# Altium PCB FOC_DRIVER.PcbDoc (part 3 of 4) (continued)
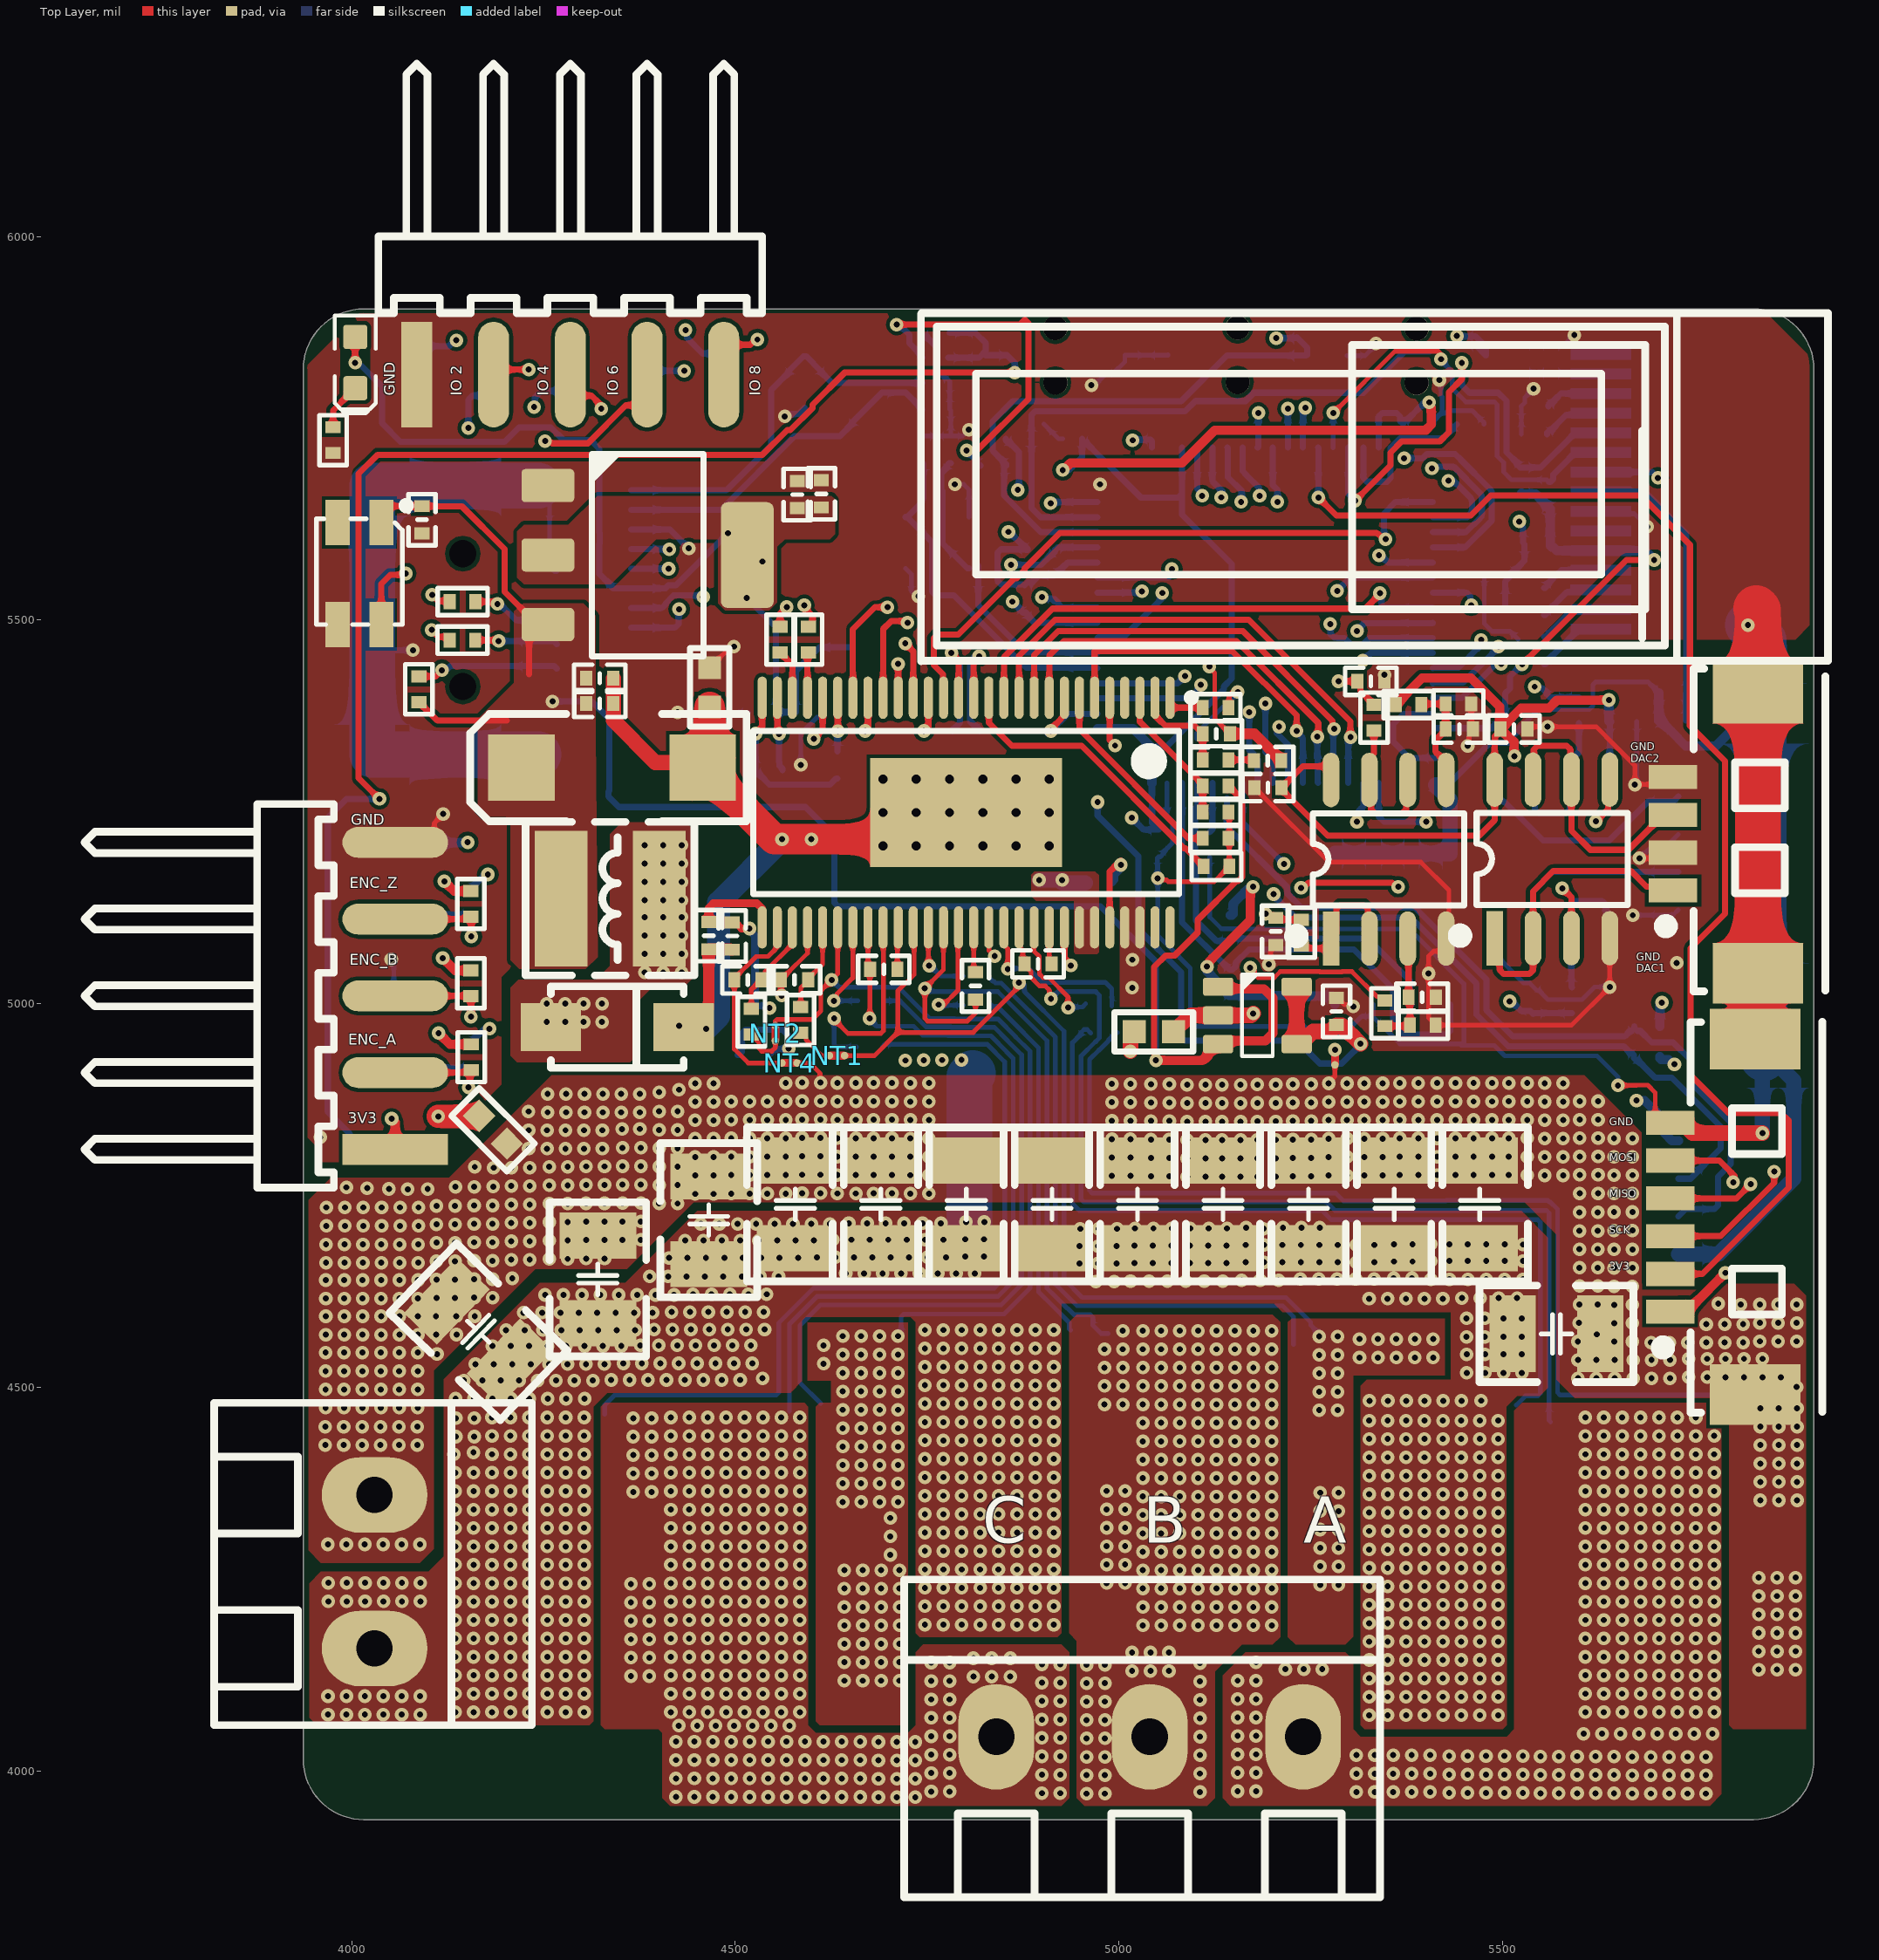
[diagram p0: Top Layer view]
## Nets (pads, with @x,y where several pads share a name; then routed paths per layer and width w, separated by ;. In a path a pad name is that pad's centre, name@x,y a point inside that pad or via, vN(x,y) a via of type N, cw(c..) or ccw(c..) an arc to the next point about the centre after c; other vN are vias at no path point) (continued)
  Bottom Layer w8: 4013,5831.3 4039.5,5804.8 4039.5,5756.8 4063.7,5732.6 4199.32,5732.6 4218.04,5751.32 4259.49,5751.32 4276.4,5734.41 4311.94,5734.41 4322.92,5723.43 4322.92,5614 4323.1,5613.82 4323.1,5599.35 4322.92,5599.17 4322.92,5560.41 4335.92,5547.41 4335.92,5545.86 4340.37,5541.4 U2.5@4364.4,5541.4 4408.88,5541.4 4412.63,5545.15 4422.15,5545.15 v1(4490.3,5613.3) ; v1(4514.8,5529) 4552.77,5491.03 C3.1@4552.77,5380.14 4578.72,5380.14 C1.1@4578.78,5380.2 4578.78,5433.68 4609.73,5464.63 U2.19@4651.8,5464.63 ; v1(4710.15,5885.1) 4713.8,5885.1 4726.71,5872.19 4726.71,5861.03 4739.97,5847.76 4739.97,5845.78 R33.1@4743.85,5841.9 ; v1(4801.5,5721.2) 4815.43,5707.27 4815.43,5705.27 R36.1@4819.3,5701.4 ; R37.1@4852.2,5736.5 4852.2,5734.53 4856.07,5730.66 4858.04,5730.66 4869.64,5719.06 4869.64,5671.24 v1(4868.1,5669.7) ; v1(4926.63,5695.59) 4926.72,5695.5 4934.8,5695.5 4951.81,5712.51 4951.81,5730.56 C28.2@4951.81,5734.43 ; C28.2@4951.81,5736.4 C28.2@4951.81,5734.43 ; v1@5012.5,5246.5 v1(5016.48,5242.52) 5032.09,5226.91 5045.85,5226.91 C30.2@5049.73,5226.91 ; 5041.62,5335.4 5062.3,5335.4 5136.84,5409.94 5136.84,5413.8 5146.79,5423.74 5146.79,5573.11 5082.23,5637.67 5082.23,5664.59 ; U1.64@5042.86,5287.8 5042.86,5235.75 5045.85,5232.76 5045.85,5230.79 C30.2@5049.73,5226.91 ; C30.2@5051.7,5226.91 C30.2@5049.73,5226.91 ; U1.19@5082.23,5724.8 5082.23,5664.59 ; U1.32@5338.14,5724.8 5338.14,5765.39 5342.82,5770.08 5361.53,5770.08 5366.21,5765.39 5366.21,5759.37 C27.2@5370.09,5755.5 5370.09,5757.47 5373.96,5761.34 5375.93,5761.34 5398.39,5783.8 v1(5404.2,5783.8) ; U1.48@5411.74,5358.66 5412.37,5359.3 C29.2@5486.89,5359.3 5486.89,5361.27 5490.76,5365.14 5492.73,5365.14 5503.4,5375.81 D1.2@5503.4,5404.68 5509.62,5410.9 5509.62,5426.72 v1(5525.3,5442.4) ; C28.2@4951.81,5734.43 4955.69,5730.56 4957.66,5730.56 5028.32,5659.9 5077.55,5659.9 5082.23,5664.59
  Bottom Layer w12: JP5.1@4055,5210 4150.6,5210 v1(4151.2,5210.6) ; U1.1@4972,5358.66 5018.36,5358.66 5041.62,5335.4 5041.62,5318.37 5042.86,5317.13 U1.64@5042.86,5287.8 ; v1(5114.67,5048.51) 5114.67,5042.27 5142.05,5014.89 5142.05,5012.92 5143.93,5011.05 R13.1@5145.9,5011.05 5234.77,5011.05 C15.1@5235.7,5010.12 5277.95,5010.12 5281.5,5006.57 IC2.8@5281.5,4999.07 ; R11.1@5145,5115.45 5146.97,5115.45 5148.85,5117.33 5148.85,5130.75 5167.86,5149.76 5170.07,5149.76 5172.93,5152.62 v1(5174.47,5152.62) ; R7.1@5524.5,5665.45 5525.58,5664.36 5542.58,5664.36 5556.25,5650.69 5556.25,5648.72 5558.13,5646.85 R6.1@5560.1,5646.85 5561.85,5645.09 R8.1@5561.85,5599 5561.85,5597.03 5563.73,5595.15 5565.69,5595.15 5570.29,5590.55 U11.5@5627.95,5590.55 5685.15,5590.55 v1(5697.3,5578.4) ; v1(5674.3,4874.1) 5685,4874.1 5710.97,4848.13 5710.97,4831.16 5720.72,4821.41 JP3.1@5728.91,4821.41 ; R3.2@5704.51,4931.1 5704.51,4929.13 5706.39,4927.26 5716.17,4927.26 ; R2.2@5704.81,4970.7 5704.81,4998.97 v1(5707.47,5001.63)
pads on no net: LED1.0 Q1.7 Q1.9 Q1.10 Q1.11 Q2.7 Q2.9 Q2.10 Q2.11 Q3.7 Q3.9 Q3.10 Q3.11 Q4.7 Q4.9 Q4.10 Q4.11 Q5.7 Q5.9 Q5.10 Q5.11 Q6.7 Q6.9 Q6.10 Q6.11 Q7.7 Q7.9 Q7.10 Q7.11 Q8.7 Q8.9 Q8.10 Q8.11 Q9.7 Q9.9 Q9.10 Q9.11 Q10.7 Q10.9 Q10.10 Q10.11 Q11.7 Q11.9 Q11.10 Q11.11 Q12.7 Q12.9 Q12.10 Q12.11 S1. S2. S3. U2.1 U2.2 U2.11 U2.12 U2.13 U2.14 U2.15 U2.16 U2.17 U2.18 U2.20 U3.0 U4.0 U5.4 U5.55 U5.56 U10.2 U11.6 U11.15 USB1.4 USB1.MH1 USB1.MH2

## Polygon pours and split planes (outlines as drawn)
AGND on Bottom Layer "AGND_L04_P259" (solid, remove dead copper, pour order 259): 5142.07,5448.6 5905.51,5448.6 5905.51,4938.5 5142.4,4938.5 5119.6,4961.3 5119.6,5425.68
DGND on Bottom Layer "DGND_L04_P255" (solid, remove dead copper, pour order 255): 3940.1,4828.4 3960.8,4807.7 3960.8,4793.7 4093.8,4793.7 4195.3,4895.2 4195.3,5034.8 4206,5045.5 4305.1,5045.5 4320.71,5061.11 4319.21,5062.6 4319.21,5225.51 4344.3,5250.6 4345,5249.9 4450.3,5249.9 4467.7,5232.5 4467.7,5190.8 4474.6,5183.9 5077,5183.9 5108.9,5215.8 5108.9,5434.51 5149.19,5474.8 5881.3,5474.8 5899.7,5493.2 5899.7,5844 5839.8,5903.9 4014.14,5903.9 3937.01,5826.77
SL_A on Bottom Layer "SL_A_L04_P196" (solid, remove dead copper, pour order 196): 3959.9,4271.6 4089.1,4271.6 4107.2,4289.7 4107.2,4522 4239.7,4654.5 4358.8,4654.5 4445.6,4741.3 4919.1,4741.3 5251.9,4741.3 5528.4,4741.3 5570,4699.7 5570,4630 5573.67,4626.33 5680.59,4626.33 5680.59,4832.71 5606.2,4907.1 4260.8,4907.1 4127.2,4773.5 3972.8,4773.5 3943.7,4744.4 3943.7,4287.8
SL_A on Bottom Layer "SL_A_L04_P149" (solid, remove dead copper, pour order 149): 5895,4462.75 5895,4620 5880,4635 5575,4635 5570,4630 5570,4510 5593.78,4486.22 5785.43,4486.22 5795,4476.65 5795,4467.75
NetC51_2 on Bottom Layer "NETC51_2_L04_P261" (solid, remove dead copper, pour order 261): 4318.1,5031.4 4217.2,5031.4 4207.2,5021.4 4207.2,4932.7 4215.8,4924.1 4363,4924.1 4371.24,4932.34 4371.24,5001.24 4392.7,5022.7 4433.9,5022.7 4451.4,5040.2 4451.4,5220.7 4435.3,5236.8 4352.1,5236.8 4336.5,5221.2 4336.5,5049.8
GND on Bottom Layer "GND_L04_P246" (solid, remove dead copper, pour order 246): 4674.18,5323.1 4926.9,5323.1 4928.1,5321.9 4928.1,5175.2 4672.34,5175.2
SL_A on Bottom Layer "SL_A_L04_P148" (solid, remove dead copper, pour order 148): 5895,4055 5800,4055 5795,4060 5795,4475 5800,4480 5895,4480
DCBUS on Bottom Layer "DCBUS_L04_P227" (solid, remove dead copper, pour order 227): 4809.4,4911.8 4709.3,4911.44 4709.3,4939.6 4823.8,4939.6 4837.8,4925.6 4837.8,4901.6 4810.2,4901.6
DCBUS on Bottom Layer "DCBUS_L04_P171" (solid, remove dead copper, pour order 171): 4315,4475 4333,4493 4571.74,4493 4587,4508.26 4587,4587 4592,4592 4728,4592 4735,4585 4735,4180 4740,4175 4920,4175 4925,4180 4925,4718 4913,4730 4450.3,4730 4356.6,4636.3 4245.4,4636.3 4120,4510.9 4120,4475
DCBUS on Bottom Layer "DCBUS_L04_P172" (solid, remove dead copper, pour order 172): 5201.7,4609.7 5213.13,4598.27 5432.53,4598.27 5432.53,4480.03 5423.2,4470.7 5436.9,4457 5504.7,4457 5504.7,4474.7 5519.1,4489.1 5548.4,4489.1 5558.7,4499.4 5558.7,4695.6 5524.3,4730 4913,4730 4914,4609.7
NetQ9_G on Bottom Layer "NETQ9_G_L04_P025" (solid, remove dead copper, pour order 25): 5220,4590 5220,4175 5230,4165 5295,4165 5305,4175 5305,4205 5295,4215 5240,4215 5235,4220 5235,4395 5240,4400 5290,4400 5295,4405 5295,4435 5290,4440 5240,4440 5235,4445 5235,4590
SL_B on Bottom Layer "SL_B_L04_P023" (solid, remove dead copper, pour order 23): 5250,4590 5245,4585 5245,4455 5250,4450 5300,4450 5305,4455 5305,4585 5300,4590
DCBUS on Bottom Layer "DCBUS_L04_P006" (solid, remove dead copper, pour order 6): 4740,4590 4735,4585 4735,4180 4740,4175 4920,4175 4925,4180 4925,4585 4920,4590
SH_A on Bottom Layer "SH_A_L04_P004" (solid, remove dead copper, pour order 4): 5540,4480 5535,4475 5535,4340 5540,4335 5590,4335 5595,4330 5595,4275 5590,4270 5540,4270 5535,4265 5535,4115 5540,4110 5590,4110 5595,4105 5595,4050 5590,4045 5315,4045 5305,4055 5305,4145 5295,4155 5165,4155 5135,4125 5135,3965 5145,3955 5770,3955 5785,3970 5785,4475 5780,4480
NetQ7_G on Bottom Layer "NETQ7_G_L04_P029" (solid, remove dead copper, pour order 29): 5890,4100 5895,4095 5895,4060 5890,4055 5800,4055 5795,4060 5795,4480 5810,4480 5810,4330 5820,4320 5865,4320 5865,4290 5860,4285 5820,4285 5810,4275 5810,4105 5815,4100
DCBUS on Bottom Layer "DCBUS_L04_P030" (solid, remove dead copper, pour order 30): 4135,4280 4120,4280 4100,4260 3960,4260 3930,4230 3930,4080 3955,4055 4135,4055
SH_B on Bottom Layer "SH_B_L04_P003" (solid, remove dead copper, pour order 3): 4960,4595 4955,4590 4955,4455 4960,4450 5015,4450 5020.01,4444.99 5020,4395 5015,4390 4960,4390 4955,4385 4955,4230 4960,4225 5015,4225 5020,4219.99 5020.01,4170.01 5015,4165 4955,4165 4945,4155 4945,3965 4955,3955 5115,3955 5125,3965 5125,4130 5160,4165 5200,4165 5210,4175 5210,4585 5200,4595
NetQ5_G on Bottom Layer "NETQ5_G_L04_P026" (solid, remove dead copper, pour order 26): 4390,4055 4395,4060 4395,4095 4390,4100 4350,4100 4340,4110 4340,4275 4350,4285 4390,4285 4395,4290 4395,4320 4390,4325 4345,4325 4335,4335 4335,4480 4325,4480 4325,4055
SL_B on Bottom Layer "SL_B_L04_P176" (solid, remove dead copper, pour order 176): 5288.9,4590.01 5424.54,4589.89 5424.65,4515.9 5288.9,4515.9
DCBUS on Bottom Layer "DCBUS_L04_P173" (solid, remove dead copper, pour order 173): 5440.5,4510.4 5323,4510.4 5314.8,4502.2 5314.8,4458.9 5432.3,4458.9 5443,4469.6
DCBUS on Bottom Layer "DCBUS_L04_P159" (solid, remove dead copper, pour order 159): 5442,4511.9 5440.5,4510.4 5323,4510.4 5314.8,4502.2 5314.8,4458.9 5432.3,4458.9 5443,4469.6 5443,4474.9
no net on Bottom Layer "NONET_L04_P158" (solid, remove dead copper, pour order 158): 5428.24,4511.92
no net on Bottom Layer "NONET_L04_P130" (solid, remove dead copper, pour order 130): 4120,4475
NetQ1_G on Bottom Layer "NETQ1_G_L04_P027" (solid, remove dead copper, pour order 27): 5580,4055 5585,4060 5585,4095 5580,4100 5530,4100 5525,4105 5525,4275 5530,4280 5580,4280 5585,4285 5585,4320 5580,4325 5530,4325 5525,4330 5525,4485 5515,4485 5515,4060 5520,4055
SL_C on Bottom Layer "SL_C_L04_P108" (solid, remove dead copper, pour order 108): 4625,4475 4625,4509 4599,4509 4597,4511 4597,4574 4608.03,4585.03 4712.97,4585.03 4725,4573 4725,4475
SL_C on Bottom Layer "SL_C_L04_P018" (solid, remove dead copper, pour order 18): 4630,4480 4625,4475 4625,4335 4630,4330 4685,4330 4690,4325 4690,4285 4685,4280 4630,4280 4625,4275 4625,4110 4630,4105 4720,4105 4725,4110 4725,4475 4720,4480
no net on Bottom Layer "NONET_L04_P090" (solid, remove dead copper, pour order 90): 5520,4475
no net on Bottom Layer "NONET_L04_P089" (solid, remove dead copper, pour order 89): 4922.24,4611.22
no net on Bottom Layer "NONET_L04_P088" (solid, remove dead copper, pour order 88): 4935,4585
no net on Bottom Layer "NONET_L04_P087" (solid, remove dead copper, pour order 87): 4940,4590
no net on Bottom Layer "NONET_L04_P086" (solid, remove dead copper, pour order 86): 4940,4590
NetQ11_G on Bottom Layer "NETQ11_G_L04_P020" (solid, remove dead copper, pour order 20): 4720,4095 4725,4090 4725,4065 4720,4060 4610,4060 4605,4065 4605,4485 4615,4485 4615,4330 4625,4320 4680,4320 4685,4315 4685,4295 4680,4290 4630,4290 4620,4280 4620,4100 4625,4095
no net on Bottom Layer "NONET_L04_P079" (solid, remove dead copper, pour order 79): 4330,4465
no net on Bottom Layer "NONET_L04_P068" (solid, remove dead copper, pour order 68): 5315,4485
no net on Bottom Layer "NONET_L04_P066" (solid, remove dead copper, pour order 66): 5300,4590
NetQ3_G on Bottom Layer "NETQ3_G_L04_P024" (solid, remove dead copper, pour order 24): 4930,4590 4930,4180 4935,4175 5005,4175 5010,4180 5010,4210 5005,4215 4960,4215 4945,4230 4945,4390 4955,4400 5005,4400 5010,4405 5010,4435 5005,4440 4950,4440 4945,4445 4945,4590
SL_B on Bottom Layer "SL_B_L04_P022" (solid, remove dead copper, pour order 22): 5250,4390 5245,4385 5245,4230 5250,4225 5300,4225 5305,4230 5305,4385 5300,4390
no net on Bottom Layer "NONET_L04_P019" (solid, remove dead copper, pour order 19): 4650,4095
DCBUS on Bottom Layer "DCBUS_L04_P010" (solid, remove dead copper, pour order 10): 5320,4475 5315,4470 5315,4060 5320,4055 5500,4055 5505,4060 5505,4470 5500,4475
no net on Bottom Layer "NONET_L04_P007" (solid, remove dead copper, pour order 7): 5365,4475
DCBUS on Bottom Layer "DCBUS_L04_P005" (solid, remove dead copper, pour order 5): 4125,4480 4120,4475 4120,4060 4125,4055 4310,4055 4315,4060 4315,4475 4310,4480
SH_C on Bottom Layer "SH_C_L04_P000" (solid, remove dead copper, pour order 0): 4350,4480 4345,4475 4345,4340.01 4350.01,4335 4400,4335 4405,4330 4405,4280 4400,4275 4353.74,4275 4345,4266.26 4345,4115 4350,4110 4400,4110 4405,4105 4405,3965 4415,3955 4925,3955 4935,3965 4935,4155 4925,4165 4745,4165 4735,4155 4735,4060 4725,4050 4605,4050 4595,4060 4595,4475 4590,4480
DGND on Top Layer "DGND_L01_P253" (solid, remove dead copper, pour order 253): 3940.1,4828.4 3960.8,4807.7 3960.8,4793.7 4093.8,4793.7 4195.3,4895.2 4195.3,5034.8 4206,5045.5 4305.1,5045.5 4320.71,5061.11 4319.21,5062.6 4319.21,5225.51 4344.3,5250.6 4345,5249.9 4450.3,5249.9 4467.7,5232.5 4467.7,5190.8 4474.6,5183.9 5077,5183.9 5108.9,5215.8 5108.9,5434.51 5149.19,5474.8 5881.3,5474.8 5899.7,5493.2 5899.7,5844 5839.8,5903.9 4014.14,5903.9 3937.01,5826.77
AGND on Top Layer "AGND_L01_P257" (solid, remove dead copper, pour order 257): 5142.07,5448.6 5905.51,5448.6 5905.51,4938.5 5142.4,4938.5 5119.6,4961.3 5119.6,5425.68
SL_A on Top Layer "SL_A_L01_P153" (solid, remove dead copper, pour order 153): 5895,4462.75 5895,4620 5880,4635 5575,4635 5570,4630 5570,4510 5593.78,4486.22 5785.43,4486.22 5795,4476.65 5795,4467.75
SL_A on Top Layer "SL_A_L01_P154" (solid, remove dead copper, pour order 154): 3959.9,4271.6 4089.1,4271.6 4107.2,4289.7 4107.2,4522 4239.7,4654.5 4358.8,4654.5 4445.6,4741.3 4919.1,4741.3 5251.9,4741.3 5528.4,4741.3 5570,4699.7 5570,4630 5573.67,4626.33 5680.59,4626.33 5680.59,4832.71 5606.2,4907.1 4260.8,4907.1 4127.2,4773.5 3972.8,4773.5 3943.7,4744.4 3943.7,4287.8
VCC3v3 on Top Layer "VCC3V3_L01_P239" (solid, remove dead copper, pour order 239): 4485.77,5661.9 4320,5661.9 4282.4,5624.3 4224.7,5624.3 4215.8,5615.4 4215.8,5555.4 4224.5,5546.7 4338,5546.7 4396.9,5605.6 4564.4,5605.6
VCC3v3 on Top Layer "VCC3V3_L01_P238" (solid, remove dead copper, pour order 238): 4485.77,5661.9 4625.4,5661.9 4629.81,5657.49 4629.81,5612.11 4623.3,5605.6 4564.4,5605.6 4554.5,5595.7 4554.5,5523.2 4544.2,5512.9 4486.5,5512.9 4477.4,5522 4477.4,5653.17
+5 on Top Layer "+5_L01_P237" (solid, remove dead copper, pour order 237): 4223.87,5521.7 4301.95,5521.7 4317.71,5505.94 4317.71,5351.49 4306.62,5340.4 4174.3,5340.4 4164.5,5350.2 4164.5,5371.2 4211.6,5418.3 4211.6,5511.6
DCBUS on Top Layer "DCBUS_L01_P231" (solid, remove dead copper, pour order 231): 5001,5143 5034,5143 5034,4996 5001,4996
NetC51_2 on Top Layer "NETC51_2_L01_P226" (solid, remove dead copper, pour order 226): 4973.4,5146.8 4973.7,5147.1 4973.7,5167.5 4968.9,5172.3 4889.9,5172.3 4885.4,5167.8 4885.6,5167.6 4885.6,5140.7 4891.8,5134.5 4948.8,5134.5
NetC51_2 on Top Layer "NETC51_2_L01_P225" (solid, remove dead copper, pour order 225): 4971.73,5064.96 4973.7,5066.93 4973.7,5161.66 4941.22,5161.66 4941.22,5066.93 4943.19,5064.96
SH_A on Top Layer "SH_A_L01_P145" (solid, remove dead copper, pour order 145): 5165,4155 5135,4125 5135,3965 5145,3955 5770,3955 5785,3970 5785,4470 5775,4480 5525,4480 5515,4470 5515,4055 5505,4045 5315,4045 5305,4055 5305,4145 5295,4155
+5 on Top Layer "+5_L01_P216" (solid, remove dead copper, pour order 216): 4320.71,5061.11 4305.1,5045.5 4218.5,5045.5 4207.2,5056.8 4207.2,5237.6 4200.9,5243.9 4173.4,5243.9 4164.5,5252.8 4164.5,5352.7 4172.9,5361.1 4308.1,5361.1 4317.71,5351.49
NetC51_2 on Top Layer "NETC51_2_L01_P211" (solid, remove dead copper, pour order 211): 4318.1,5031.4 4217.2,5031.4 4207.2,5021.4 4207.2,4932.7 4215.8,4924.1 4363,4924.1 4371.24,4932.34 4371.24,5001.24 4392.7,5022.7 4433.9,5022.7 4450.4,5039.2 4450.4,5221.7 4435.3,5236.8 4352.1,5236.8 4336.5,5221.2 4336.5,5049.8
no net on Top Layer "NONET_L01_P210" (solid, remove dead copper, pour order 210): 4246.5,5016.1
no net on Top Layer "NONET_L01_P209" (solid, remove dead copper, pour order 209): 4259.59,5017.93
no net on Top Layer "NONET_L01_P201" (solid, remove dead copper, pour order 201): 4977.8,5053.76
SL_A on Top Layer "SL_A_L01_P152" (solid, remove dead copper, pour order 152): 5895,4055 5800,4055 5795,4060 5795,4475 5800,4480 5895,4480
DCBUS on Top Layer "DCBUS_L01_P012" (solid, remove dead copper, pour order 12): 3960,4260 3945,4245 3945,4070 3955,4060 4310,4060 4315,4065 4315,4475 4310,4480 4125,4480 4120,4475 4120,4280 4100,4260
DCBUS on Top Layer "DCBUS_L01_P106" (solid, remove dead copper, pour order 106): 4315,4475 4333,4493 4571.74,4493 4587,4508.26 4587,4587 4592,4592 4728,4592 4735,4585 4735,4180 4740,4175 4920,4175 4925,4180 4925,4718 4913,4730 4450.3,4730 4356.6,4636.3 4245.4,4636.3 4120,4510.9 4120,4475
SH_B on Top Layer "SH_B_L01_P141" (solid, remove dead copper, pour order 141): 4945,4595 4935,4585 4935,4180 4945,4170 4945,3965 4955,3955 5115,3955 5125,3965 5125,4130 5160,4165 5200,4165 5210,4175 5210,4585 5200,4595
DCBUS on Top Layer "DCBUS_L01_P167" (solid, remove dead copper, pour order 167): 5440.5,4510.4 5323,4510.4 5314.8,4502.2 5314.8,4458.9 5432.3,4458.9 5443,4469.6
SH_C on Top Layer "SH_C_L01_P137" (solid, remove dead copper, pour order 137): 4330,4480 4325,4475 4325,4060 4330,4055 4400,4055 4405,4050 4405,3965 4415,3955 4925,3955 4935,3965 4935,4155 4925,4165 4745,4165 4735,4155 4735,4060 4725,4050 4605,4050 4595,4060 4595,4475 4590,4480
DCBUS on Top Layer "DCBUS_L01_P125" (solid, remove dead copper, pour order 125): 5201.7,4609.7 5213.13,4598.27 5432.53,4598.27 5432.53,4480.03 5423.2,4470.7 5436.9,4457 5504.7,4457 5504.7,4474.7 5519.1,4489.1 5548.4,4489.1 5558.7,4499.4 5558.7,4695.6 5524.3,4730 4913,4730 4914,4609.7
DCBUS on Top Layer "DCBUS_L01_P124" (solid, remove dead copper, pour order 124): 5315,4475 5315,4060 5320,4055 5500,4055 5505,4060 5504.7,4470.3 5500.63,4474.37
SL_B on Top Layer "SL_B_L01_P123" (solid, remove dead copper, pour order 123): 5288.9,4590.01 5424.54,4589.89 5424.65,4515.9 5288.9,4515.9
SL_B on Top Layer "SL_B_L01_P122" (solid, remove dead copper, pour order 122): 5295,4165 5305.4,4175.4 5305.4,4584.6 5300,4590 5225,4590 5220,4585 5220,4175 5230,4165
SL_C on Top Layer "SL_C_L01_P119" (solid, remove dead copper, pour order 119): 4625,4480 4610,4480 4605,4475 4605,4065 4610,4060 4720,4060 4725,4065 4725,4475 4720,4480
SL_C on Top Layer "SL_C_L01_P118" (solid, remove dead copper, pour order 118): 4725,4584.87 4594,4585.19 4594,4509 4625,4509 4625,4480 4630,4475 4725,4475
no net on Top Layer "NONET_L01_P081" (solid, remove dead copper, pour order 81): 4580,4660
no net on Top Layer "NONET_L01_P011" (solid, remove dead copper, pour order 11): 4035,4260
DGND on GND "DGND_L03_P251" (solid, remove dead copper, pour order 251): 3940.4,4829.9 3961.1,4809.2 3961.1,4795.2 4094.1,4795.2 4195.6,4896.7 4195.6,5036.3 4206.3,5047 4305.4,5047 4321.01,5062.61 4319.51,5064.1 4319.51,5227.01 4344.6,5252.1 4345.3,5251.4 4450.6,5251.4 4468,5234 4468,5192.3 4474.9,5185.4 5077.3,5185.4 5109.2,5217.3 5109.2,5436.01 5149.49,5476.3 5881.6,5476.3 5900,5494.7 5900,5845.5 5840.1,5905.4 4014.44,5905.4 3937.31,5828.27
AGND on GND "AGND_L03_P248" (solid, remove dead copper, pour order 248): 5142.07,5448.6 5905.51,5448.6 5905.51,4938.5 5142.4,4938.5 5119.6,4961.3 5119.6,5425.68
DCBUS on GND "DCBUS_L03_P230" (solid, remove dead copper, pour order 230): 4507.7,5108.31 5098.39,5108.31 5102.44,5104.26 5102.44,5072.14 5098.7,5068.4 4507.7,5068.4
DCBUS on GND "DCBUS_L03_P232" (solid, remove dead copper, pour order 232): 5098.39,5108.31 5102.44,5104.26 5102.3,5104.13 5102.3,5006.8 5090.9,4995.4 4998.3,4995.4 4982.6,5011.1 4982.6,5094.5
no net on GND "NONET_L03_P234" (solid, remove dead copper, pour order 234): 3955,4785
DCBUS on GND "DCBUS_L03_P228" (solid, remove dead copper, pour order 228): 4841.3,4916.7 4701.5,4916.7 4696.3,4921.89 4696.3,4974.1 4702.56,4980.36 4844.24,4980.36 4852.7,4971.9 4852.7,4928.1
no net on GND "NONET_L03_P229" (solid, remove dead copper, pour order 229): 4578.3,5106.4
SH_A on GND "SH_A_L03_P046" (solid, remove dead copper, pour order 46): 5165,4155 5135,4125 5135,3965 5145,3955 5770,3955 5785,3970 5785,4470 5775,4480 5525,4480 5515,4470 5515,4055 5505,4045 5315,4045 5305,4055 5305,4145 5295,4155
SL_A on GND "SL_A_L03_P072" (solid, remove dead copper, pour order 72): 5895,4465.25 5895,4620 5880,4635 5575,4635 5570,4630 5570,4510 5593.78,4486.22 5785.43,4486.22 5795,4476.65 5795,4465.25
SL_A on GND "SL_A_L03_P041" (solid, remove dead copper, pour order 41): 5795,4060 5800,4055 5895,4055 5895,4480 5883.86,4491.14 5804.77,4491.14 5795,4481.37
DCBUS on GND "DCBUS_L03_P031" (solid, remove dead copper, pour order 31): 4315,4475 4310,4480 4125,4480 4120,4475 4120,4280 4100,4260 3960,4260 3945,4245 3945,4065 3955,4055 4310,4055 4315,4060
DCBUS on GND "DCBUS_L03_P181" (solid, remove dead copper, pour order 181): 4315,4475 4333,4493 4571.74,4493 4587,4508.26 4587,4587 4592,4592 4728,4592 4735,4585 4735,4180 4740,4175 4920,4175 4925,4180 4925,4718 4913,4730 4450.2,4730 4356.5,4636.3 4245.4,4636.3 4120,4510.9 4120,4475
SH_B on GND "SH_B_L03_P045" (solid, remove dead copper, pour order 45): 4945,4595 4935,4585 4935,4180 4945,4170 4945,3965 4955,3955 5115,3955 5125,3965 5125,4130 5160,4165 5200,4165 5210,4175 5210,4585 5200,4595
SL_A on GND "SL_A_L03_P198" (solid, remove dead copper, pour order 198): 3959.9,4271.6 4089.1,4271.6 4107.2,4289.7 4107.2,4522 4239.7,4654.5 4358.8,4654.5 4445.6,4741.3 4919.1,4741.3 5251.9,4741.3 5528.4,4741.3 5570,4699.7 5570,4630 5573.67,4626.33 5680.59,4626.33 5680.59,4832.71 5606.2,4907.1 4260.8,4907.1 4127.2,4773.5 3972.8,4773.5 3943.7,4744.4 3943.7,4287.8
DCBUS on GND "DCBUS_L03_P184" (solid, remove dead copper, pour order 184): 5440.5,4510.4 5323,4510.4 5314.8,4502.2 5314.8,4458.9 5432.3,4458.9 5443,4469.6
DCBUS on GND "DCBUS_L03_P183" (solid, remove dead copper, pour order 183): 5201.7,4609.7 5213.13,4598.27 5432.53,4598.27 5432.53,4480.03 5423.2,4470.7 5436.9,4457 5504.7,4457 5504.7,4474.7 5519.1,4489.1 5548.4,4489.1 5558.7,4499.4 5558.7,4695.6 5524.3,4730 4913,4730 4914,4609.7
SL_B on GND "SL_B_L03_P182" (solid, remove dead copper, pour order 182): 5288.9,4590.01 5424.54,4589.89 5424.65,4515.9 5288.9,4515.9
SL_B on GND "SL_B_L03_P160" (solid, remove dead copper, pour order 160): 5305,4585 5305.4,4585.4 5424.6,4585.4 5424.6,4515.4 5295.2,4515.4 5300,4520.2 5300,4590
no net on GND "NONET_L03_P114" (solid, remove dead copper, pour order 114): 4610,4480
no net on GND "NONET_L03_P113" (solid, remove dead copper, pour order 113): 4610,4480
SL_C on GND "SL_C_L03_P109" (solid, remove dead copper, pour order 109): 4725,4475 4725,4577 4594,4577 4594,4509 4625,4509 4625,4475
SL_C on GND "SL_C_L03_P039" (solid, remove dead copper, pour order 39): 4610,4480 4605,4475 4605,4065 4610,4060 4715,4060 4725,4070 4725,4475 4720,4480
no net on GND "NONET_L03_P044" (solid, remove dead copper, pour order 44): 5080,4595
DCBUS on GND "DCBUS_L03_P043" (solid, remove dead copper, pour order 43): 5315,4475 5315,4060 5320,4055 5500,4055 5505,4060 5505,4470 5500,4475
DCBUS on GND "DCBUS_L03_P042" (solid, remove dead copper, pour order 42): 4740,4590 4735,4585 4735,4180 4740,4175 4920,4175 4925,4180 4925,4585 4920,4590
SL_B on GND "SL_B_L03_P040" (solid, remove dead copper, pour order 40): 5225,4590 5220,4585 5220,4230 5225,4225 5300,4225 5305,4230 5305,4585 5300,4590
SH_C on GND "SH_C_L03_P035" (solid, remove dead copper, pour order 35): 4330,4480 4325,4475 4325,4060 4330,4055 4400,4055 4405,4050 4405,3965 4415,3955 4925,3955 4935,3965 4935,4155 4925,4165 4745,4165 4735,4155 4735,4060 4725,4050 4605,4050 4595,4060 4595,4475 4590,4480
DGND on POWER "DGND_L02_P249" (solid, remove dead copper, pour order 249): 3940.1,4828.4 3960.8,4807.7 3960.8,4793.7 4093.8,4793.7 4195.3,4895.2 4195.3,5034.8 4206,5045.5 4305.1,5045.5 4320.71,5061.11 4319.21,5062.6 4319.21,5225.51 4344.3,5250.6 4345,5249.9 4450.3,5249.9 4467.7,5232.5 4467.7,5190.8 4474.6,5183.9 5077,5183.9 5108.9,5215.8 5108.9,5434.51 5149.19,5474.8 5881.3,5474.8 5899.7,5493.2 5899.7,5844 5839.8,5903.9 4014.14,5903.9 3937.01,5826.77
AGND on POWER "AGND_L02_P245" (solid, remove dead copper, pour order 245): 5142.07,5448.6 5905.51,5448.6 5905.51,4938.5 5142.4,4938.5 5119.6,4961.3 5119.6,5425.68
NetC51_2 on POWER "NETC51_2_L02_P233" (solid, remove dead copper, pour order 233): 4910.38,5172.3 4423.7,5172.3 4423.7,5141.2 4430,5134.9 4912.26,5134.9
SH_A on POWER "SH_A_L02_P143" (solid, remove dead copper, pour order 143): 5165,4155 5135,4125 5135,3965 5145,3955 5770,3955 5785,3970 5785,4470 5775,4480 5525,4480 5515,4470 5515,4055 5505,4045 5315,4045 5305,4055 5305,4145 5295,4155
no net on POWER "NONET_L02_P214" (solid, remove dead copper, pour order 214): 4465.3,5022.7
NetC51_2 on POWER "NETC51_2_L02_P213" (solid, remove dead copper, pour order 213): 4318.1,5031.4 4217.2,5031.4 4207.2,5021.4 4207.2,4932.7 4215.8,4924.1 4363,4924.1 4371.24,4932.34 4371.24,5001.24 4392.7,5022.7 4433.9,5022.7 4451.4,5040.2 4451.4,5220.7 4435.3,5236.8 4352.1,5236.8 4336.5,5221.2 4336.5,5049.8
NetC51_2 on POWER "NETC51_2_L02_P208" (solid, remove dead copper, pour order 208): 4973.4,5146.8 4973.7,5147.1 4973.7,5167.5 4968.9,5172.3 4889.9,5172.3 4885.4,5167.8 4885.6,5167.6 4885.6,5140.7 4891.8,5134.5 4948.8,5134.5
SL_A on POWER "SL_A_L02_P074" (solid, remove dead copper, pour order 74): 5895,4462.75 5895,4620 5880,4635 5575,4635 5570,4630 5570,4510 5593.78,4486.22 5785.43,4486.22 5795,4476.65 5795,4467.75
SL_A on POWER "SL_A_L02_P050" (solid, remove dead copper, pour order 50): 5895,4055 5800,4055 5795,4060 5795,4475 5800,4480 5895,4480
DCBUS on POWER "DCBUS_L02_P032" (solid, remove dead copper, pour order 32): 3960,4260 3945,4245 3945,4075 3960,4060 4310,4060 4315,4065 4315,4475 4310,4480 4125,4480 4120,4475 4120,4280 4100,4260
DCBUS on POWER "DCBUS_L02_P189" (solid, remove dead copper, pour order 189): 4315,4475 4333,4493 4571.74,4493 4587,4508.26 4587,4587 4592,4592 4728,4592 4735,4585 4735,4180 4740,4175 4920,4175 4925,4180 4925,4718 4913,4730 4450.3,4730 4356.6,4636.3 4245.4,4636.3 4120,4510.9 4120,4475
SH_B on POWER "SH_B_L02_P139" (solid, remove dead copper, pour order 139): 4945,4595 4935,4585 4935,4180 4945,4170 4945,3965 4955,3955 5115,3955 5125,3965 5125,4130 5160,4165 5200,4165 5210,4175 5210,4585 5200,4595
SL_A on POWER "SL_A_L02_P200" (solid, remove dead copper, pour order 200): 3959.9,4271.6 4089.1,4271.6 4107.2,4289.7 4107.2,4522 4239.7,4654.5 4358.8,4654.5 4445.6,4741.3 4919.1,4741.3 5251.9,4741.3 5528.4,4741.3 5570,4699.7 5570,4630 5573.67,4626.33 5680.59,4626.33 5680.59,4832.71 5606.2,4907.1 4260.8,4907.1 4127.2,4773.5 3972.8,4773.5 3943.7,4744.4 3943.7,4287.8
DCBUS on POWER "DCBUS_L02_P194" (solid, remove dead copper, pour order 194): 5320,4475 5315,4470 5315,4060 5320,4055 5500,4055 5505,4060 5505,4470 5500,4475
DCBUS on POWER "DCBUS_L02_P192" (solid, remove dead copper, pour order 192): 5440.5,4510.4 5323,4510.4 5314.8,4502.2 5314.8,4458.9 5432.3,4458.9 5443,4469.6
DCBUS on POWER "DCBUS_L02_P191" (solid, remove dead copper, pour order 191): 5201.7,4609.7 5213.13,4598.27 5432.53,4598.27 5432.53,4480.03 5423.2,4470.7 5436.9,4457 5504.7,4457 5504.7,4474.7 5519.1,4489.1 5548.4,4489.1 5558.7,4499.4 5558.7,4695.6 5524.3,4730 4913,4730 4914,4609.7
SL_B on POWER "SL_B_L02_P190" (solid, remove dead copper, pour order 190): 5288.9,4590.01 5424.54,4589.89 5424.65,4515.9 5288.9,4515.9
SL_B on POWER "SL_B_L02_P165" (solid, remove dead copper, pour order 165): 5305,4585 5305.4,4585.4 5424.6,4585.4 5424.6,4515.4 5295.2,4515.4 5300,4520.2 5300,4590
SH_C on POWER "SH_C_L02_P135" (solid, remove dead copper, pour order 135): 4330,4480 4325,4475 4325,4060 4330,4055 4400,4055 4405,4050 4405,3965 4415,3955 4925,3955 4935,3965 4935,4155 4925,4165 4745,4165 4735,4155 4735,4060 4725,4050 4605,4050 4595,4060 4595,4475 4590,4480
SL_C on POWER "SL_C_L02_P117" (solid, remove dead copper, pour order 117): 4625,4480 4610,4480 4605,4475 4605,4065 4610,4060 4720,4060 4725,4065 4725,4475 4720,4480
SL_C on POWER "SL_C_L02_P116" (solid, remove dead copper, pour order 116): 4628.9,4576.6 4594.4,4576.6 4594,4577 4594,4509 4625,4509 4625,4480 4630,4475 4725,4475 4725,4577
no net on POWER "NONET_L02_P111" (solid, remove dead copper, pour order 111): 4478,4511
no net on POWER "NONET_L02_P103" (solid, remove dead copper, pour order 103): 4954.72,4856.3
no net on POWER "NONET_L02_P048" (solid, remove dead copper, pour order 48): 4920,4590
SL_B on POWER "SL_B_L02_P047" (solid, remove dead copper, pour order 47): 5225,4590 5220,4585 5220,4230 5225,4225 5300,4225 5305,4230 5305,4585 5300,4590
no net on POWER "NONET_L02_P036" (solid, remove dead copper, pour order 36): 4290,4480
no net on Top Solder "NONET_L01_P-001" (solid): 3966.2,4436.5